# KiCad board C68.kicad_pcb
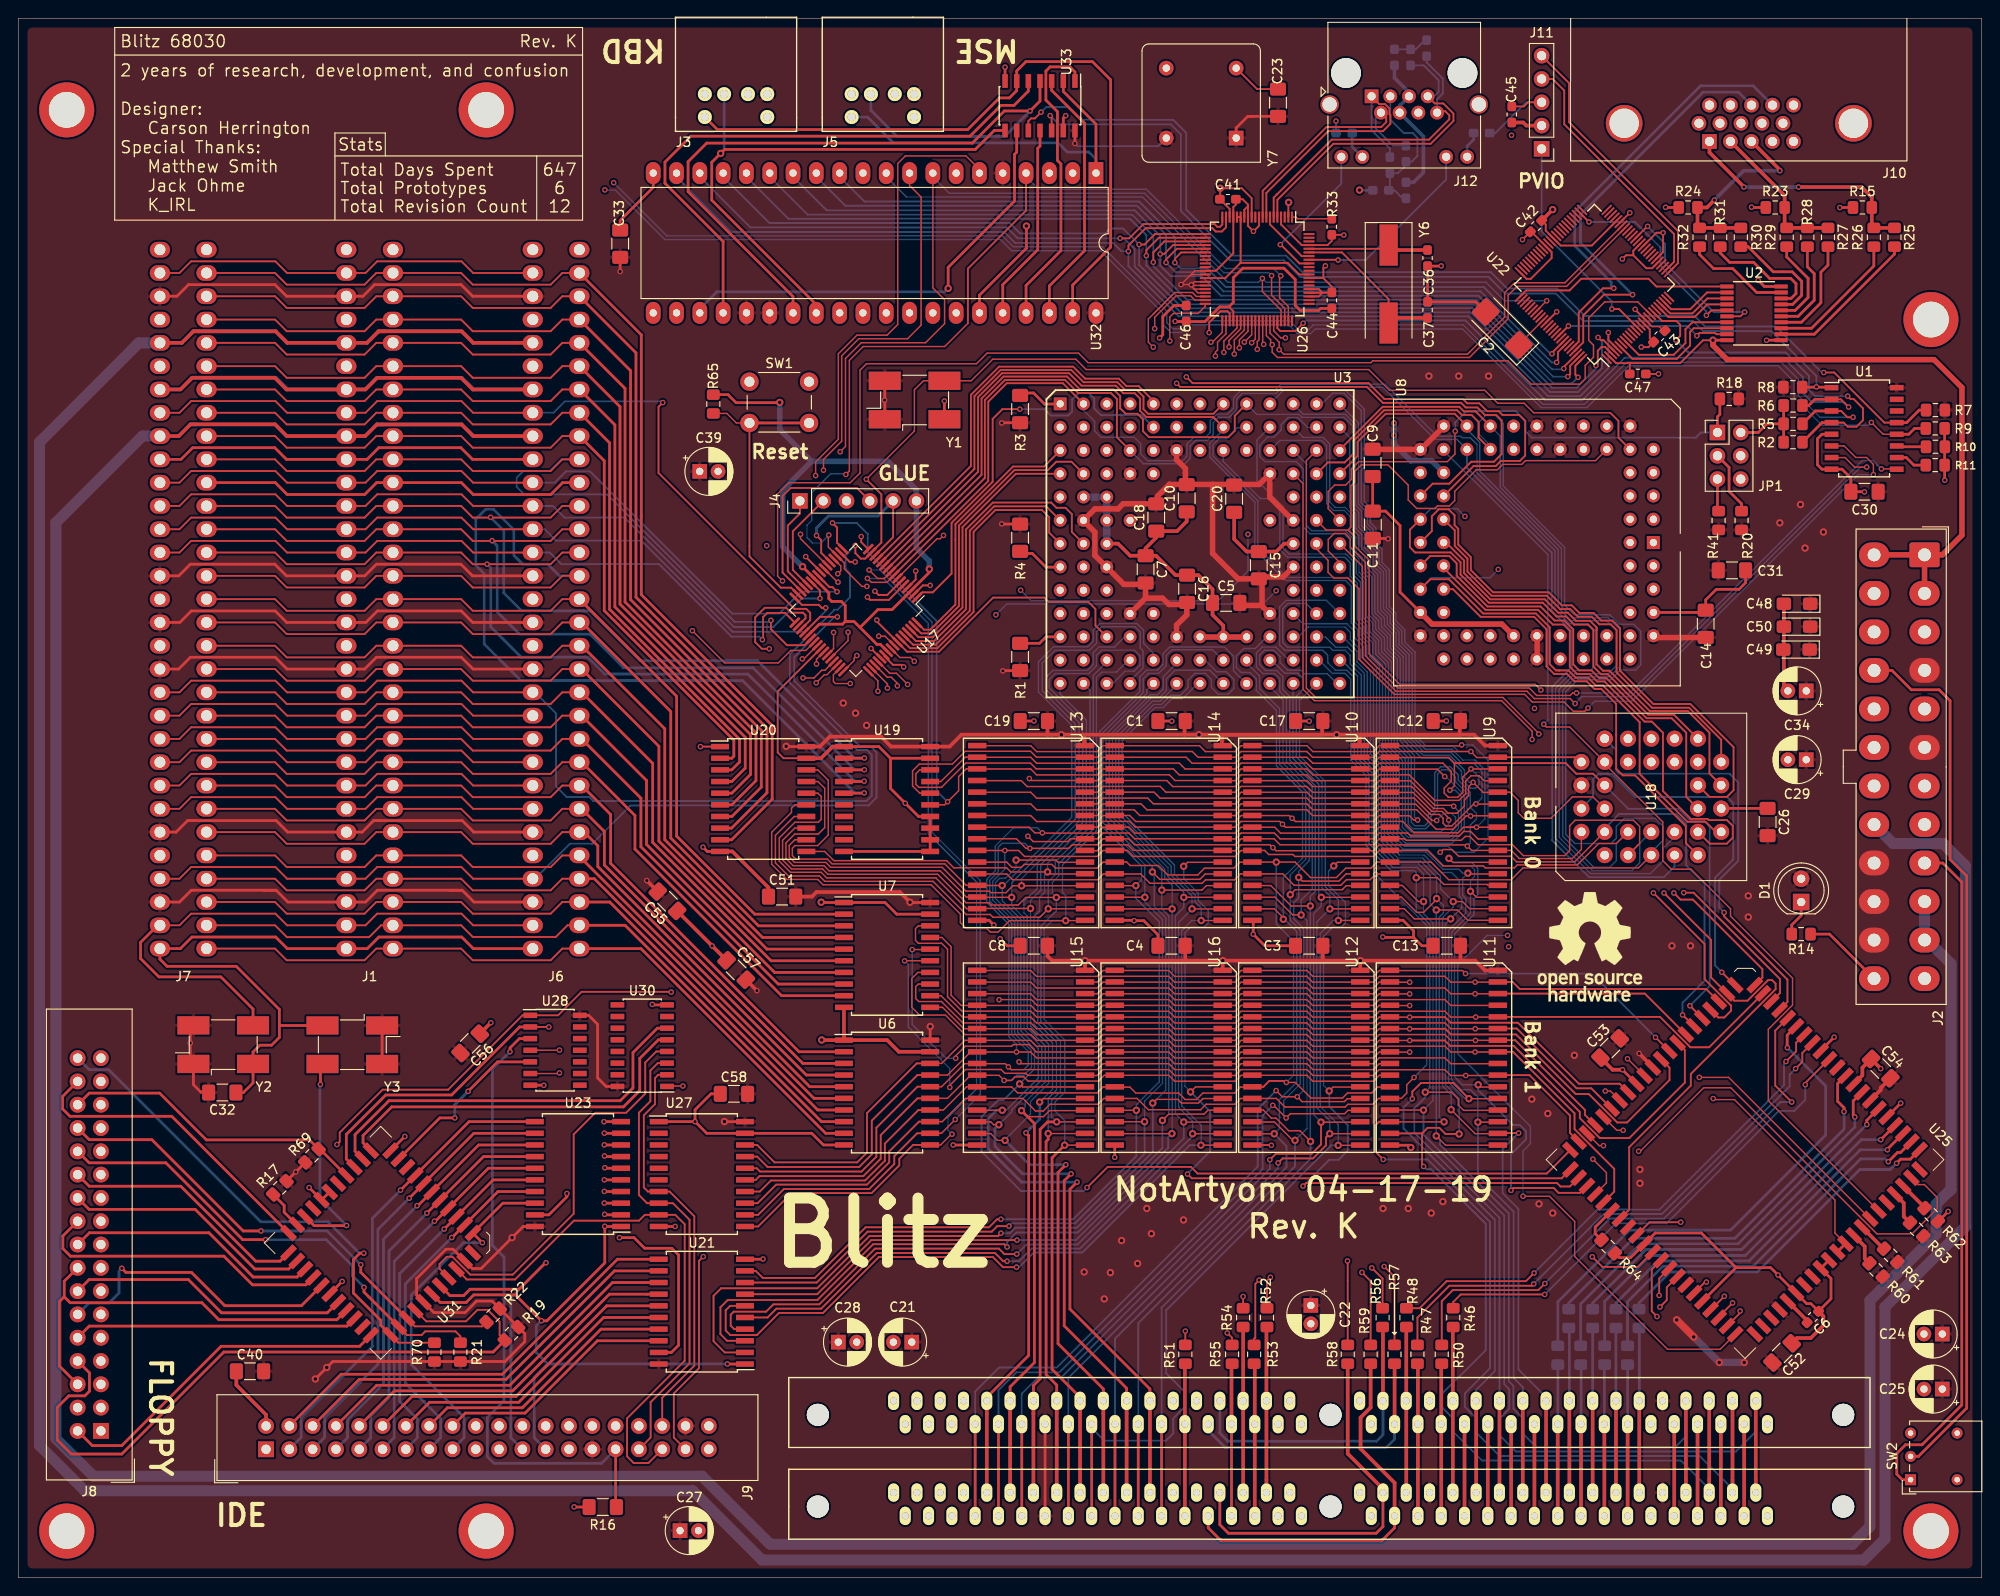
[diagram p0: board, top side]
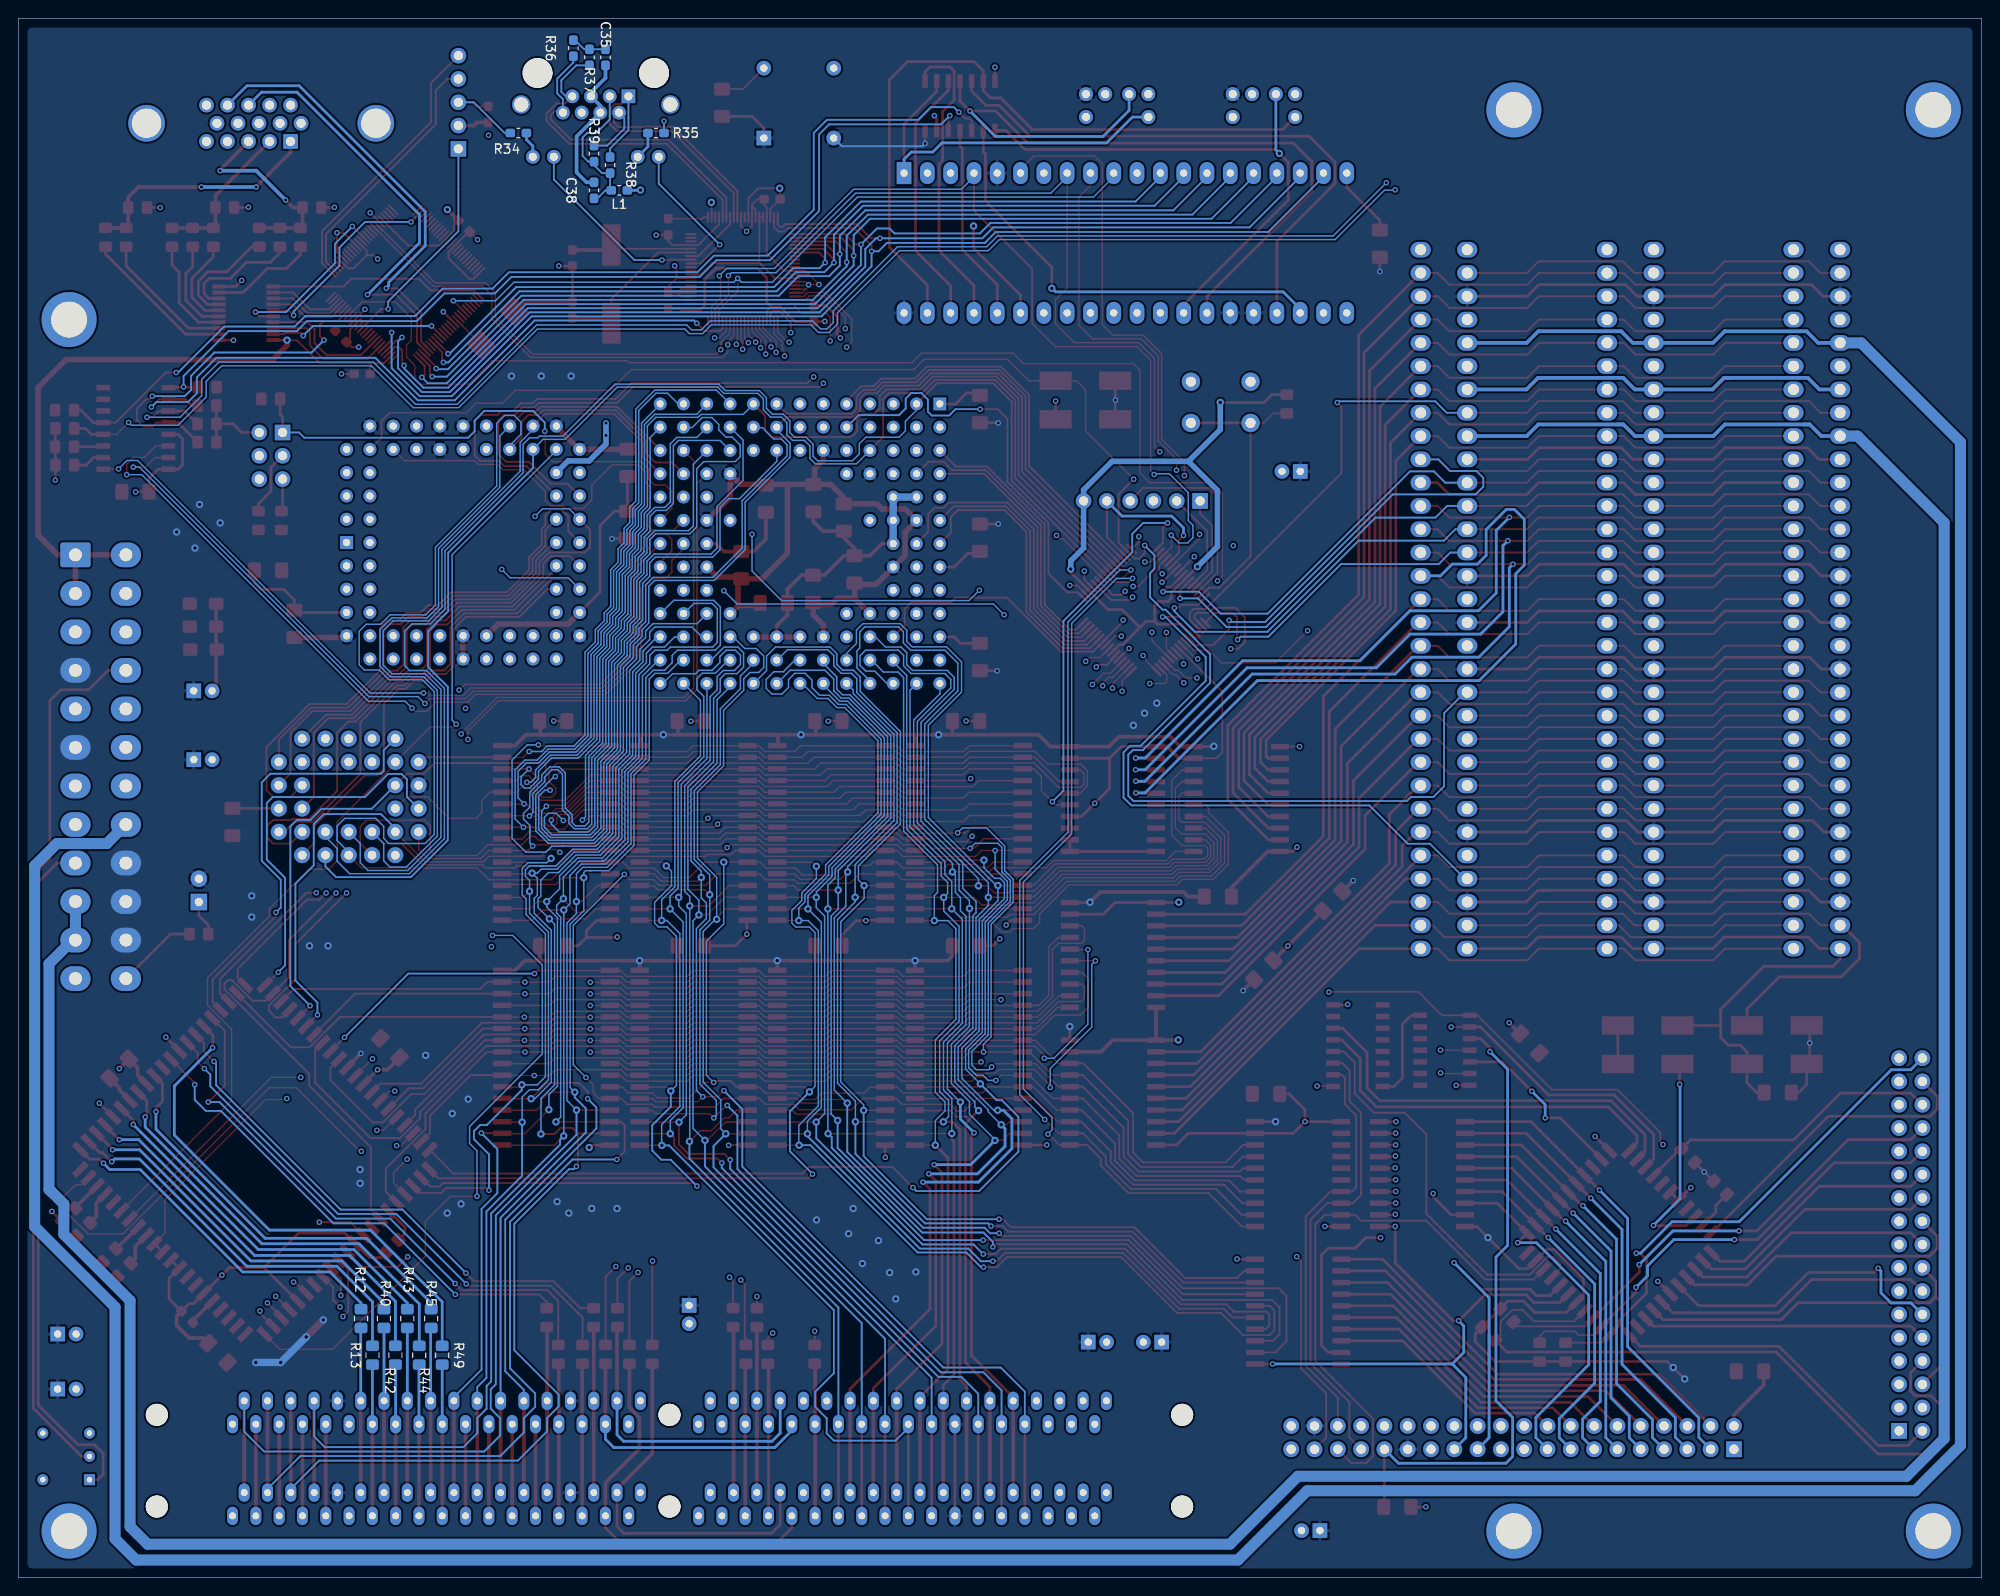
[diagram p1: board, bottom side, seen from below]

Outline 214 x 170 mm; copper layers: Top, In1.Cu, In2.Cu, Bottom. Coordinates in mm from the lower left corner of the outline.
Outline path: 0,170 214,170 214,0 0,0 0,170

## Placement (name value [footprint] x y rotation side)
C1  100nf  [C_1206_3216Metric_Pad1.42x1.75mm_HandSolder]  125.7 93.39 0 top
C2  10uf  [CP_EIA-6032-20_AVX-F_Pad2.25x2.35mm_HandSolder]  161.75 136.18 135 top
C3  100nf  [C_1206_3216Metric_Pad1.42x1.75mm_HandSolder]  140.7 68.89 0 top
C4  100nf  [C_1206_3216Metric_Pad1.42x1.75mm_HandSolder]  125.7 68.89 0 top
C5  100nf  [C_1206_3216Metric_Pad1.42x1.75mm_HandSolder]  131.65 106.27 0 top
C6  100nf  [C_0603_1608Metric_Pad1.05x0.95mm_HandSolder]  195.6 28.42 225 top
C7  100nf  [C_1206_3216Metric_Pad1.42x1.75mm_HandSolder]  122.87 109.93 270 top
C8  100nf  [C_1206_3216Metric_Pad1.42x1.75mm_HandSolder]  110.69 68.89 0 top
C9  100nf  [C_1206_3216Metric_Pad1.42x1.75mm_HandSolder]  147.62 121.54 90 top
C10  100nf  [C_1206_3216Metric_Pad1.42x1.75mm_HandSolder]  127.35 117.68 90 top
C11  100nf  [C_1206_3216Metric_Pad1.42x1.75mm_HandSolder]  147.64 114.79 270 top
C12  100nf  [C_1206_3216Metric_Pad1.42x1.75mm_HandSolder]  155.7 93.39 0 top
C13  100nf  [C_1206_3216Metric_Pad1.42x1.75mm_HandSolder]  155.7 68.89 0 top
C14  100nf  [C_1206_3216Metric_Pad1.42x1.75mm_HandSolder]  183.92 103.99 270 top
C15  100nf  [C_1206_3216Metric_Pad1.42x1.75mm_HandSolder]  135.21 110.38 270 top
C16  100nf  [C_1206_3216Metric_Pad1.42x1.75mm_HandSolder]  127.39 107.81 270 top
C17  100nf  [C_1206_3216Metric_Pad1.42x1.75mm_HandSolder]  140.7 93.39 0 top
C18  100nf  [C_1206_3216Metric_Pad1.42x1.75mm_HandSolder]  124.03 115.58 90 top
C19  100nf  [C_1206_3216Metric_Pad1.42x1.75mm_HandSolder]  110.69 93.39 0 top
C20  100nf  [C_1206_3216Metric_Pad1.42x1.75mm_HandSolder]  132.52 117.63 90 top
C21  47uf  [CP_Radial_D5.0mm_P2.00mm]  97.38 25.68 180 top
C22  47uf  [CP_Radial_D5.0mm_P2.00mm]  140.88 29.68 270 top
C23  100nf  [C_1206_3216Metric_Pad1.42x1.75mm_HandSolder]  137.3 160.8 270 top
C24  47uf  [CP_Radial_D5.0mm_P2.00mm]  209.71 26.56 180 top
C25  47uf  [CP_Radial_D5.0mm_P2.00mm]  209.71 20.56 180 top
C26  100nf  [C_1206_3216Metric_Pad1.42x1.75mm_HandSolder]  190.67 82.38 270 top
C27  47uf  [CP_Radial_D5.0mm_P2.00mm]  72.13 5.13 0 top
C28  47uf  [CP_Radial_D5.0mm_P2.00mm]  89.38 25.68 0 top
C29  47uf  [CP_Radial_D5.0mm_P2.00mm]  194.88 89.18 180 top
C30  100nf  [C_1206_3216Metric_Pad1.42x1.75mm_HandSolder]  201.23 118.39 0 top
C31  100nf  [C_1206_3216Metric_Pad1.42x1.75mm_HandSolder]  186.78 109.82 180 top
C32  100nf  [C_1206_3216Metric_Pad1.42x1.75mm_HandSolder]  22.23 52.89 180 top
C33  100nf  [C_1206_3216Metric_Pad1.42x1.75mm_HandSolder]  65.6 145.43 270 top
C34  47uf  [CP_Radial_D5.0mm_P2.00mm]  194.88 96.68 180 top
C35  10nf  [C_0603_1608Metric_Pad1.05x0.95mm_HandSolder]  150 165.75 270 bottom
C36  10pf  [C_0603_1608Metric_Pad1.05x0.95mm_HandSolder]  153.6 143.87 270 top
C37  10pf  [C_0603_1608Metric_Pad1.05x0.95mm_HandSolder]  153.6 138.21 90 top
C38  100nf  [C_0603_1608Metric_Pad1.05x0.95mm_HandSolder]  151.25 151.25 90 bottom
C39  10uf  [CP_Radial_D5.0mm_P2.00mm]  74.27 120.61 0 top
C40  100nf  [C_1206_3216Metric_Pad1.42x1.75mm_HandSolder]  25.25 22.5 0 top
C41  100nf  [C_0603_1608Metric_Pad1.05x0.95mm_HandSolder]  131.84 150.28 180 top
C42  100nf  [C_0603_1608Metric_Pad1.05x0.95mm_HandSolder]  165.43 147.35 45 top
C43  100nf  [C_0603_1608Metric_Pad1.05x0.95mm_HandSolder]  178.86 135.33 45 top
C44  100nf  [C_0603_1608Metric_Pad1.05x0.95mm_HandSolder]  143.18 139.25 270 top
C45  100nf  [C_0603_1608Metric_Pad1.05x0.95mm_HandSolder]  162.79 159.52 270 top
C46  100nf  [C_0603_1608Metric_Pad1.05x0.95mm_HandSolder]  127.3 137.82 270 top
C47  100nf  [C_0603_1608Metric_Pad1.05x0.95mm_HandSolder]  176.52 131.23 180 top
C48  1uf  [CP_EIA-3216-10_Kemet-I_Pad1.58x1.35mm_HandSolder]  193.88 106.18 180 top
C49  1uf  [CP_EIA-3216-10_Kemet-I_Pad1.58x1.35mm_HandSolder]  193.82 101.18 180 top
C50  1uf  [CP_EIA-3216-10_Kemet-I_Pad1.58x1.35mm_HandSolder]  193.88 103.68 180 top
C51  100nf  [C_1206_3216Metric_Pad1.42x1.75mm_HandSolder]  83.25 74.25 0 top
C52  100nf  [C_1206_3216Metric_Pad1.42x1.75mm_HandSolder]  192.25 24.5 225 top
C53  100nf  [C_1206_3216Metric_Pad1.42x1.75mm_HandSolder]  173.5 57.75 45 top
C54  100nf  [C_1206_3216Metric_Pad1.42x1.75mm_HandSolder]  203 55.5 315 top
C55  100nf  [C_1206_3216Metric_Pad1.42x1.75mm_HandSolder]  70.75 73.75 135 top
C56  100nf  [C_1206_3216Metric_Pad1.42x1.75mm_HandSolder]  49.25 58.25 225 top
C57  100nf  [C_1206_3216Metric_Pad1.42x1.75mm_HandSolder]  78.25 66.25 315 top
C58  100nf  [C_1206_3216Metric_Pad1.42x1.75mm_HandSolder]  78 52.75 0 top
D1  LED  [LED_D5.0mm]  194.32 73.66 90 top
H1  PTH_mount  [atx_mounting_hole]  50.99 160.02 0 top
H2  PTH_mount  [atx_mounting_hole]  50.99 5.08 0 top
H3  PTH_mount  [atx_mounting_hole]  208.47 5.08 0 top
H4  PTH_mount  [atx_mounting_hole]  208.47 137.16 0 top
H5  PTH_mount  [atx_mounting_hole]  5.27 5.08 0 top
H6  PTH_mount  [atx_mounting_hole]  5.27 160.02 0 top
J1  ISAx8  [ISA_x8_VERT]  38.29 109.22 0 top
J2  ATX24  [Molex_Mini-Fit_Jr_5566-24A_2x12_P4.20mm_Vertical]  207.77 111.51 270 top
J3  MSE  [PS2]  78.23 161.74 0 top
J4  PRG0  [PinHeader_1x06_P2.54mm_Vertical]  85.19 117.39 90 top
J5  KBD  [PS2]  94.23 161.74 0 top
J6  ISAx8  [ISA_x8_VERT]  58.61 109.22 0 top
J7  ISAx8  [ISA_x8_VERT]  17.97 109.22 0 top
J8  FLOPPY  [IDC-Header_2x17_P2.54mm_Vertical]  9 16 180 top
J9  IDE  [IDC-Header_2x20_P2.54mm_Vertical]  27 14 90 top
J10  VGA  [Dsub-VGA]  188.75 159.13 0 top
J11  ICSP  [PinHeader_1x05_P2.54mm_Vertical]  166.04 155.77 180 top
J12  RJ45_LED  [RJ45_Amphenol_RJHSE538X]  147.5 161.5 0 top
JP1  Conn_02x03_Odd_Even  [PinHeader_2x03_P2.54mm_Vertical]  185.2 124.85 0 top
L1  L  [L_0603_1608Metric_Pad1.05x0.95mm_HandSolder]  148.5 151.25 180 bottom
R1  10k  [R_1206_3216Metric_Pad1.42x1.75mm_HandSolder]  109.19 100.38 90 top
R2  10k  [R_0805_2012Metric_Pad1.15x1.40mm_HandSolder]  193.44 123.79 0 top
R3  10k  [R_1206_3216Metric_Pad1.42x1.75mm_HandSolder]  109.19 127.4 90 top
R4  10k  [R_1206_3216Metric_Pad1.42x1.75mm_HandSolder]  109.19 113.38 270 top
R5  10k  [R_0805_2012Metric_Pad1.15x1.40mm_HandSolder]  193.44 125.79 0 top
R6  10k  [R_0805_2012Metric_Pad1.15x1.40mm_HandSolder]  193.44 127.79 0 top
R7  10k  [R_0805_2012Metric_Pad1.15x1.40mm_HandSolder]  208.96 127.29 180 top
R8  10k  [R_0805_2012Metric_Pad1.15x1.40mm_HandSolder]  193.42 129.79 0 top
R9  10k  [R_0805_2012Metric_Pad1.15x1.40mm_HandSolder]  208.94 125.29 180 top
R10  10k  [R_0805_2012Metric_Pad1.15x1.40mm_HandSolder]  208.96 123.29 180 top
R11  10k  [R_0805_2012Metric_Pad1.15x1.40mm_HandSolder]  208.94 121.29 180 top
R12  22  [R_0805_2012Metric_Pad1.15x1.40mm_HandSolder]  176.65 28.25 90 bottom
R13  22  [R_0805_2012Metric_Pad1.15x1.40mm_HandSolder]  175.4 24.25 90 bottom
R14  10k  [R_0805_2012Metric_Pad1.15x1.40mm_HandSolder]  194.32 70.16 180 top
R15  75  [R_0805_2012Metric_Pad1.15x1.40mm_HandSolder]  201 149.38 180 top
R16  10k  [R_1206_3216Metric_Pad1.42x1.75mm_HandSolder]  63.7 7.7 0 top
R17  150  [R_0805_2012Metric_Pad1.15x1.40mm_HandSolder]  28.5 42.5 45 top
R18  10k  [R_0805_2012Metric_Pad1.15x1.40mm_HandSolder]  186.49 128.51 180 top
R19  150  [R_0805_2012Metric_Pad1.15x1.40mm_HandSolder]  53.75 26.6 45 top
R20  10k  [R_0805_2012Metric_Pad1.15x1.40mm_HandSolder]  187.83 115.25 90 top
R21  150  [R_0805_2012Metric_Pad1.15x1.40mm_HandSolder]  48.18 24.59 270 top
R22  150  [R_0805_2012Metric_Pad1.15x1.40mm_HandSolder]  51.75 28.6 45 top
R23  75  [R_0805_2012Metric_Pad1.15x1.40mm_HandSolder]  191.5 149.38 180 top
R24  75  [R_0805_2012Metric_Pad1.15x1.40mm_HandSolder]  182 149.38 180 top
R25  455  [R_0805_2012Metric_Pad1.15x1.40mm_HandSolder]  204.5 146.13 270 top
R26  986  [R_0805_2012Metric_Pad1.15x1.40mm_HandSolder]  202.25 146.13 270 top
R27  544  [R_0805_2012Metric_Pad1.15x1.40mm_HandSolder]  197.25 146.13 270 top
R28  1k2  [R_0805_2012Metric_Pad1.15x1.40mm_HandSolder]  195 146.13 270 top
R29  2k4  [R_0805_2012Metric_Pad1.15x1.40mm_HandSolder]  192.75 146.13 270 top
R30  544  [R_0805_2012Metric_Pad1.15x1.40mm_HandSolder]  187.75 146.13 270 top
R31  1k2  [R_0805_2012Metric_Pad1.15x1.40mm_HandSolder]  185.5 146.13 270 top
R32  2k4  [R_0805_2012Metric_Pad1.15x1.40mm_HandSolder]  183.25 146.13 270 top
R33  12.3k  [R_0603_1608Metric_Pad1.05x0.95mm_HandSolder]  143.16 147.28 90 top
R34  330  [R_0603_1608Metric_Pad1.05x0.95mm_HandSolder]  159.5 157.5 180 bottom
R35  330  [R_0603_1608Metric_Pad1.05x0.95mm_HandSolder]  144.5 157.5 0 bottom
R36  49k9  [R_0603_1608Metric_Pad1.05x0.95mm_HandSolder]  153.5 166.75 90 bottom
R37  49k9  [R_0603_1608Metric_Pad1.05x0.95mm_HandSolder]  151.75 165.75 270 bottom
R38  49k9  [R_0603_1608Metric_Pad1.05x0.95mm_HandSolder]  149.5 154 90 bottom
R39  49k9  [R_0603_1608Metric_Pad1.05x0.95mm_HandSolder]  151.25 155.25 270 bottom
R40  22  [R_0805_2012Metric_Pad1.15x1.40mm_HandSolder]  174.15 28.25 90 bottom
R41  10k  [R_0805_2012Metric_Pad1.15x1.40mm_HandSolder]  185.33 115.25 90 top
R42  22  [R_0805_2012Metric_Pad1.15x1.40mm_HandSolder]  172.9 24.25 90 bottom
R43  22  [R_0805_2012Metric_Pad1.15x1.40mm_HandSolder]  171.6 28.25 90 bottom
R44  22  [R_0805_2012Metric_Pad1.15x1.40mm_HandSolder]  170.3 24.25 90 bottom
R45  22  [R_0805_2012Metric_Pad1.15x1.40mm_HandSolder]  169 28.25 90 bottom
R46  22  [R_0805_2012Metric_Pad1.15x1.40mm_HandSolder]  156.4 28.35 90 top
R47  22  [R_0805_2012Metric_Pad1.15x1.40mm_HandSolder]  152.5 24.35 90 top
R48  22  [R_0805_2012Metric_Pad1.15x1.40mm_HandSolder]  151.3 28.35 90 top
R49  22  [R_0805_2012Metric_Pad1.15x1.40mm_HandSolder]  167.8 24.25 90 bottom
R50  22  [R_0805_2012Metric_Pad1.15x1.40mm_HandSolder]  155.15 24.35 90 top
R51  22  [R_0805_2012Metric_Pad1.15x1.40mm_HandSolder]  127.2 24.35 90 top
R52  22  [R_0805_2012Metric_Pad1.15x1.40mm_HandSolder]  136.1 28.35 90 top
R53  22  [R_0805_2012Metric_Pad1.15x1.40mm_HandSolder]  134.7 24.35 90 top
R54  22  [R_0805_2012Metric_Pad1.15x1.40mm_HandSolder]  133.5 28.35 90 top
R55  22  [R_0805_2012Metric_Pad1.15x1.40mm_HandSolder]  132.3 24.35 90 top
R56  22  [R_0805_2012Metric_Pad1.15x1.40mm_HandSolder]  148.7 28.35 90 top
R57  22  [R_0805_2012Metric_Pad1.15x1.40mm_HandSolder]  150 24.35 90 top
R58  22  [R_0805_2012Metric_Pad1.15x1.40mm_HandSolder]  144.9 24.35 90 top
R59  22  [R_0805_2012Metric_Pad1.15x1.40mm_HandSolder]  147.4 24.35 90 top
R60  2k2  [R_0805_2012Metric_Pad1.15x1.40mm_HandSolder]  202.49 33.55 135 top
R61  2k2  [R_0805_2012Metric_Pad1.15x1.40mm_HandSolder]  204.08 35.14 135 top
R62  2k2  [R_0805_2012Metric_Pad1.15x1.40mm_HandSolder]  208.5 39.56 135 top
R63  2k2  [R_0805_2012Metric_Pad1.15x1.40mm_HandSolder]  206.91 37.97 135 top
R64  2k2  [R_0805_2012Metric_Pad1.15x1.40mm_HandSolder]  173.29 36.09 135 top
R65  10k  [R_0805_2012Metric_Pad1.15x1.40mm_HandSolder]  75.75 127.95 270 top
R69  150  [R_0805_2012Metric_Pad1.15x1.40mm_HandSolder]  32 46 225 top
R70  150  [R_0805_2012Metric_Pad1.15x1.40mm_HandSolder]  45.35 24.59 270 top
REF**  -  [OSHW-Logo_11.4x12mm_SilkScreen]  171.29 68.78 0 top
SW1  RESET  [SW_PUSH_6mm]  79.69 130.39 0 top
SW2  SW_SPDT  [SW_Lever_1P2T_NKK_GW12LxH]  206.25 10.68 90 top
U1  74LS148  [SOIC-16W_5.3x10.2mm_P1.27mm]  201.19 125.29 0 top
U2  74LVC245APW  [TSSOP-20_4.4x6.5mm_P0.65mm]  189.19 137.84 180 top
U3  M68030  [PGA120]  129.06 112.22 180 top
U5  -  [SIMM_72]  142.9 17.75 0 top
U6  74LS245  [SOIC-20W_7.5x12.8mm_P1.27mm]  94.69 52.89 0 top
U7  74LS245  [SOIC-20W_7.5x12.8mm_P1.27mm]  94.69 67.89 0 top
U8  M68882_PLCC  [PLCC-68_THT-Socket]  178.22 112.85 270 top
U9  AS6C4008  [SOIC-32]  155.39 81.19 270 top
U10  AS6C4008  [SOIC-32]  140.39 81.19 270 top
U11  AS6C4008  [SOIC-32]  155.39 56.69 270 top
U12  AS6C4008  [SOIC-32]  140.39 56.69 270 top
U13  AS6C4008  [SOIC-32]  110.39 81.19 270 top
U14  AS6C4008  [SOIC-32]  125.39 81.19 270 top
U15  AS6C4008  [SOIC-32]  110.39 56.69 270 top
U16  AS6C4008  [SOIC-32]  125.39 56.69 270 top
U17  XC9572XL-VQ64  [TQFP-64_10x10mm_P0.5mm]  91.28 105.48 225 top
U18  SST39SF040  [PLCC-32_TH]  172.91 86.39 90 top
U19  74LS245  [SOIC-20W_7.5x12.8mm_P1.27mm]  94.69 84.89 0 top
U20  74LS245  [SOIC-20W_7.5x12.8mm_P1.27mm]  81.19 84.89 0 top
U21  74LS245  [SOIC-20W_7.5x12.8mm_P1.27mm]  74.5 29 180 top
U22  PIC24FJ256DA210-IPT  [TQFP-100_12x12mm_P0.4mm]  171.79 140.99 135 top
U23  74LS245  [SOIC-20W_7.5x12.8mm_P1.27mm]  61 44 180 top
U24  -  [SIMM_72]  142.9 7.75 0 top
U25  DP8440  [PLCC-84]  188.21 45.57 315 top
U26  W5100  [LQFP-80_10x10mm_P0.4mm]  135.03 142.68 270 top
U27  74LS245  [SOIC-20W_7.5x12.8mm_P1.27mm]  74.5 44 0 top
U28  7404  [SOIC-14_3.9x8.7mm_P1.27mm]  58.5 57.5 0 top
U30  74hc139  [SOIC-16_3.9x9.9mm_P1.27mm]  68 58 180 top
U31  WD37C65  [PLCC-44]  39.5 36.5 225 top
U32  8042  [DIP-40_W15.24mm_LongPads]  117.46 153.13 270 top
U33  74LS06  [SOIC-14_3.9x8.7mm_P1.27mm]  111.36 160.47 270 top
Y1  20MHz  [Oscillator_SMD_EuroQuartz_XO91-4Pin_7.0x5.0mm_HandSoldering]  97.69 128.39 0 top
Y2  14.316MHz  [Oscillator_SMD_EuroQuartz_XO91-4Pin_7.0x5.0mm_HandSoldering]  22.33 58.11 0 top
Y3  16MHz  [Oscillator_SMD_EuroQuartz_XO91-4Pin_7.0x5.0mm_HandSoldering]  36.4 58.1 180 top
Y6  25MHz  [Crystal_SMD_HC49-SD]  149.36 141.04 270 top
Y7  8MHz  [Oscillator_DIP-8]  132.74 156.95 90 top

## Footprints (pads in the part's own frame, mm; a bottom-side part is the same pattern mirrored in y, then rotated)
atx_mounting_hole
  round 6 hole 3.9: 1(0,0)
C_0603_1608Metric_Pad1.05x0.95mm_HandSolder
  rrect 1.05x0.95 smd: 1(-0.875,0) 2(0.875,0)
C_1206_3216Metric_Pad1.42x1.75mm_HandSolder
  rrect 1.425x1.75 smd: 1(-1.488,0) 2(1.488,0)
CP_EIA-3216-10_Kemet-I_Pad1.58x1.35mm_HandSolder
  rrect 1.575x1.35 smd: 1(-1.438,0) 2(1.438,0)
CP_EIA-6032-20_AVX-F_Pad2.25x2.35mm_HandSolder
  rrect 2.25x2.35 smd: 1(-2.55,0) 2(2.55,0)
CP_Radial_D5.0mm_P2.00mm
  rect 1.6x1.6 hole 0.8: 1(0,0)
  round 1.6 hole 0.8: 2(2,0)
Crystal_SMD_HC49-SD
  rect 4.5x2 smd: 1(-4.25,0) 2(4.25,0)
DIP-40_W15.24mm_LongPads
  rect 2.4x1.6 hole 0.8: 1(0,0)
  oval 2.4x1.6 hole 0.8: 2(0,-2.54) 3(0,-5.08) 4(0,-7.62) 5(0,-10.16) 6(0,-12.7) 7(0,-15.24) 8(0,-17.78) 9(0,-20.32) 10(0,-22.86) 11(0,-25.4) 12(0,-27.94) 13(0,-30.48) 14(0,-33.02) 15(0,-35.56) 16(0,-38.1) 17(0,-40.64) 18(0,-43.18) 19(0,-45.72) 20(0,-48.26) 21(15.24,-48.26) 22(15.24,-45.72) 23(15.24,-43.18) 24(15.24,-40.64) 25(15.24,-38.1) 26(15.24,-35.56) 27(15.24,-33.02) 28(15.24,-30.48) 29(15.24,-27.94) 30(15.24,-25.4) 31(15.24,-22.86) 32(15.24,-20.32) 33(15.24,-17.78) 34(15.24,-15.24) 35(15.24,-12.7) 36(15.24,-10.16) 37(15.24,-7.62) 38(15.24,-5.08) 39(15.24,-2.54) 40(15.24,0)
Dsub-VGA
  round 4 hole 3.2: 0(-13.715,-0.57) 0(11.275,-0.57)
  rect 1.6x1.6 hole 1: 1(-4.42,-2.55)
  round 1.6 hole 1: 2(-2.13,-2.55) 3(0.16,-2.55) 4(2.45,-2.55) 5(4.74,-2.55) 6(-5.565,-0.57) 7(-3.275,-0.57) 8(-0.985,-0.57) 9(1.305,-0.57) 10(3.595,-0.57) 11(-4.42,1.41) 12(-2.13,1.41) 13(0.16,1.41) 14(2.45,1.41) 15(4.74,1.41)
IDC-Header_2x17_P2.54mm_Vertical
  rect 1.727x1.727 hole 1.016: 1(0,0)
  oval 1.727x1.727 hole 1.016: 2(2.54,0) 3(0,-2.54) 4(2.54,-2.54) 5(0,-5.08) 6(2.54,-5.08) 7(0,-7.62) 8(2.54,-7.62) 9(0,-10.16) 10(2.54,-10.16) 11(0,-12.7) 12(2.54,-12.7) 13(0,-15.24) 14(2.54,-15.24) 15(0,-17.78) 16(2.54,-17.78) 17(0,-20.32) 18(2.54,-20.32) 19(0,-22.86) 20(2.54,-22.86) 21(0,-25.4) 22(2.54,-25.4) 23(0,-27.94) 24(2.54,-27.94) 25(0,-30.48) 26(2.54,-30.48) 27(0,-33.02) 28(2.54,-33.02) 29(0,-35.56) 30(2.54,-35.56) 31(0,-38.1) 32(2.54,-38.1) 33(0,-40.64) 34(2.54,-40.64)
IDC-Header_2x20_P2.54mm_Vertical
  rect 1.727x1.727 hole 1.016: 1(0,0)
  oval 1.727x1.727 hole 1.016: 2(2.54,0) 3(0,-2.54) 4(2.54,-2.54) 5(0,-5.08) 6(2.54,-5.08) 7(0,-7.62) 8(2.54,-7.62) 9(0,-10.16) 10(2.54,-10.16) 11(0,-12.7) 12(2.54,-12.7) 13(0,-15.24) 14(2.54,-15.24) 15(0,-17.78) 16(2.54,-17.78) 17(0,-20.32) 18(2.54,-20.32) 19(0,-22.86) 20(2.54,-22.86) 21(0,-25.4) 22(2.54,-25.4) 23(0,-27.94) 24(2.54,-27.94) 25(0,-30.48) 26(2.54,-30.48) 27(0,-33.02) 28(2.54,-33.02) 29(0,-35.56) 30(2.54,-35.56) 31(0,-38.1) 32(2.54,-38.1) 33(0,-40.64) 34(2.54,-40.64) 35(0,-43.18) 36(2.54,-43.18) 37(0,-45.72) 38(2.54,-45.72) 39(0,-48.26) 40(2.54,-48.26)
ISA_x8_VERT
  oval 2.2x1.7 hole 1.2: A1(2.54,35.56) A2(2.54,33.02) A3(2.54,30.48) A4(2.54,27.94) A5(2.54,25.4) A6(2.54,22.86) A7(2.54,20.32) A8(2.54,17.78) A9(2.54,15.24) A10(2.54,12.7) A11(2.54,10.16) A12(2.54,7.62) A13(2.54,5.08) A14(2.54,2.54) A15(2.54,0) A16(2.54,-2.54) A17(2.54,-5.08) A18(2.54,-7.62) A19(2.54,-10.16) A20(2.54,-12.7) A21(2.54,-15.24) A22(2.54,-17.78) A23(2.54,-20.32) A24(2.54,-22.86) A25(2.54,-25.4) A26(2.54,-27.94) A27(2.54,-30.48) A28(2.54,-33.02) A29(2.54,-35.56) A30(2.54,-38.1) A31(2.54,-40.64) B1(-2.54,35.56) B2(-2.54,33.02) B3(-2.54,30.48) B4(-2.54,27.94) B5(-2.54,25.4) B6(-2.54,22.86) B7(-2.54,20.32) B8(-2.54,17.78) B9(-2.54,15.24) B10(-2.54,12.7) B11(-2.54,10.16) B12(-2.54,7.62) B13(-2.54,5.08) B14(-2.54,2.54) B15(-2.54,0) B16(-2.54,-2.54) B17(-2.54,-5.08) B18(-2.54,-7.62) B19(-2.54,-10.16) B20(-2.54,-12.7) B21(-2.54,-15.24) B22(-2.54,-17.78) B23(-2.54,-20.32) B24(-2.54,-22.86) B25(-2.54,-25.4) B26(-2.54,-27.94) B27(-2.54,-30.48) B28(-2.54,-33.02) B29(-2.54,-35.56) B30(-2.54,-38.1) B31(-2.54,-40.64)
L_0603_1608Metric_Pad1.05x0.95mm_HandSolder
  rrect 1.05x0.95 smd: 1(-0.875,0) 2(0.875,0)
LED_D5.0mm
  rect 1.8x1.8 hole 0.9: 1(0,0)
  round 1.8 hole 0.9: 2(2.54,0)
LQFP-80_10x10mm_P0.4mm
  rect 1.2x0.23 smd: 1(-5.65,3.8) 2(-5.65,3.4) 3(-5.65,3) 4(-5.65,2.6) 5(-5.65,2.2) 6(-5.65,1.8) 7(-5.65,1.4) 8(-5.65,1) 9(-5.65,0.6) 10(-5.65,0.2) 11(-5.65,-0.2) 12(-5.65,-0.6) 13(-5.65,-1) 14(-5.65,-1.4) 15(-5.65,-1.8) 16(-5.65,-2.2) 17(-5.65,-2.6) 18(-5.65,-3) 19(-5.65,-3.4) 20(-5.65,-3.8) 41(5.65,-3.8) 42(5.65,-3.4) 43(5.65,-3) 44(5.65,-2.6) 45(5.65,-2.2) 46(5.65,-1.8) 47(5.65,-1.4) 48(5.65,-1) 49(5.65,-0.6) 50(5.65,-0.2) 51(5.65,0.2) 52(5.65,0.6) 53(5.65,1) 54(5.65,1.4) 55(5.65,1.8) 56(5.65,2.2) 57(5.65,2.6) 58(5.65,3) 59(5.65,3.4) 60(5.65,3.8)
  rect 0.23x1.2 smd: 21(-3.8,-5.65) 22(-3.4,-5.65) 23(-3,-5.65) 24(-2.6,-5.65) 25(-2.2,-5.65) 26(-1.8,-5.65) 27(-1.4,-5.65) 28(-1,-5.65) 29(-0.6,-5.65) 30(-0.2,-5.65) 31(0.2,-5.65) 32(0.6,-5.65) 33(1,-5.65) 34(1.4,-5.65) 35(1.8,-5.65) 36(2.2,-5.65) 37(2.6,-5.65) 38(3,-5.65) 39(3.4,-5.65) 40(3.8,-5.65) 61(3.8,5.65) 62(3.4,5.65) 63(3,5.65) 64(2.6,5.65) 65(2.2,5.65) 66(1.8,5.65) 67(1.4,5.65) 68(1,5.65) 69(0.6,5.65) 70(0.2,5.65) 71(-0.2,5.65) 72(-0.6,5.65) 73(-1,5.65) 74(-1.4,5.65) 75(-1.8,5.65) 76(-2.2,5.65) 77(-2.6,5.65) 78(-3,5.65) 79(-3.4,5.65) 80(-3.8,5.65)
Molex_Mini-Fit_Jr_5566-24A_2x12_P4.20mm_Vertical
  rrect 2.7x3.3 hole 1.4: 1(0,0)
  oval 2.7x3.3 hole 1.4: 2(4.2,0) 3(8.4,0) 4(12.6,0) 5(16.8,0) 6(21,0) 7(25.2,0) 8(29.4,0) 9(33.6,0) 10(37.8,0) 11(42,0) 12(46.2,0) 13(0,-5.5) 14(4.2,-5.5) 15(8.4,-5.5) 16(12.6,-5.5) 17(16.8,-5.5) 18(21,-5.5) 19(25.2,-5.5) 20(29.4,-5.5) 21(33.6,-5.5) 22(37.8,-5.5) 23(42,-5.5) 24(46.2,-5.5)
Oscillator_DIP-8
  rect 1.6x1.6 hole 0.8: 1(0,0)
  round 1.6 hole 0.8: 4(7.62,0) 5(7.62,7.62) 8(0,7.62)
Oscillator_SMD_EuroQuartz_XO91-4Pin_7.0x5.0mm_HandSoldering
  rect 3.5x2 smd: 1(-3.25,-2.1) 2(3.25,-2.1) 3(3.25,2.1) 4(-3.25,2.1)
PGA120
  rect 1.397x1.397 hole 0.787: A1(15.5,-15.75)
  round 1.397 hole 0.787: A2(12.96,-15.75) A3(10.42,-15.75) A4(7.88,-15.75) A5(5.34,-15.75) A6(2.8,-15.75) A7(0.26,-15.75) A8(-2.28,-15.75) A9(-4.82,-15.75) A10(-7.36,-15.75) A11(-9.9,-15.75) A12(-12.44,-15.75) A13(-14.98,-15.75) B1(15.5,-13.21) B2(12.96,-13.21) B3(10.42,-13.21) B4(7.88,-13.21) B5(5.34,-13.21) B6(2.8,-13.21) B7(0.26,-13.21) B8(-2.28,-13.21) B9(-4.82,-13.21) B10(-7.36,-13.21) B11(-9.9,-13.21) B12(-12.44,-13.21) B13(-14.98,-13.21) C1(15.5,-10.67) C2(12.96,-10.67) C3(10.42,-10.67) C4(7.88,-10.67) C5(5.34,-10.67) C6(2.8,-10.67) C7(0.26,-10.67) C8(-2.28,-10.67) C9(-4.82,-10.67) C10(-7.36,-10.67) C11(-9.9,-10.67) C12(-12.44,-10.67) C13(-14.98,-10.67) D1(15.5,-8.13) D2(12.96,-8.13) D3(10.42,-8.13) D4(7.88,-8.13) D5(5.34,-8.13) D10(-7.36,-8.13) D11(-9.9,-8.13) D12(-12.44,-8.13) D13(-14.98,-8.13) E1(15.5,-5.59) E2(12.96,-5.59) E3(10.42,-5.59) E11(-9.9,-5.59) E12(-12.44,-5.59) E13(-14.98,-5.59) F1(15.5,-3.05) F2(12.96,-3.05) F3(10.42,-3.05) F4(7.88,-3.05) F10(-7.36,-3.05) F11(-9.9,-3.05) F12(-12.44,-3.05) F13(-14.98,-3.05) G1(15.5,-0.51) G2(12.96,-0.51) G3(10.42,-0.51) G11(-9.9,-0.51) G12(-12.44,-0.51) G13(-14.98,-0.51) H1(15.5,2.03) H2(12.96,2.03) H3(10.42,2.03) H11(-9.9,2.03) H12(-12.44,2.03) H13(-14.98,2.03) J1(15.5,4.57) J2(12.96,4.57) J3(10.42,4.57) J11(-9.9,4.57) J12(-12.44,4.57) J13(-14.98,4.57) K1(15.5,7.11) K2(12.96,7.11) K3(10.42,7.11) K4(7.88,7.11) K5(5.34,7.11) K10(-7.36,7.11) K11(-9.9,7.11) K12(-12.44,7.11) K13(-14.98,7.11) L1(15.5,9.65) L2(12.96,9.65) L3(10.42,9.65) L4(7.88,9.65) L5(5.34,9.65) L6(2.8,9.65) L7(0.26,9.65) L8(-2.28,9.65) L9(-4.82,9.65) L10(-7.36,9.65) L11(-9.9,9.65) L12(-12.44,9.65) L13(-14.98,9.65) M1(15.5,12.19) M2(12.96,12.19) M3(10.42,12.19) M4(7.88,12.19) M5(5.34,12.19) M6(2.8,12.19) M7(0.26,12.19) M8(-2.28,12.19) M9(-4.82,12.19) M10(-7.36,12.19) M11(-9.9,12.19) M12(-12.44,12.19) M13(-14.98,12.19) N1(15.5,14.73) N2(12.96,14.73) N3(10.42,14.73) N4(7.88,14.73) N5(5.34,14.73) N6(2.8,14.73) N7(0.26,14.73) N8(-2.28,14.73) N9(-4.82,14.73) N10(-7.36,14.73) N11(-9.9,14.73) N12(-12.44,14.73) N13(-14.98,14.73)
PinHeader_1x05_P2.54mm_Vertical
  rect 1.7x1.7 hole 1: 1(0,0)
  oval 1.7x1.7 hole 1: 2(0,-2.54) 3(0,-5.08) 4(0,-7.62) 5(0,-10.16)
PinHeader_1x06_P2.54mm_Vertical
  rect 1.7x1.7 hole 1: 1(0,0)
  oval 1.7x1.7 hole 1: 2(0,-2.54) 3(0,-5.08) 4(0,-7.62) 5(0,-10.16) 6(0,-12.7)
PinHeader_2x03_P2.54mm_Vertical
  rect 1.7x1.7 hole 1: 1(0,0)
  oval 1.7x1.7 hole 1: 2(2.54,0) 3(0,-2.54) 4(2.54,-2.54) 5(0,-5.08) 6(2.54,-5.08)
PLCC-32_TH
  round 1.75 hole 0.95: 1(0,0) 2(-2.54,2.54) 3(-2.54,0) 4(-5.08,2.54) 5(-7.62,0) 6(-5.08,0) 7(-7.62,-2.54) 8(-5.08,-2.54) 9(-7.62,-5.08) 10(-5.08,-5.08) 11(-7.62,-7.62) 12(-5.08,-7.62) 13(-7.62,-10.16) 14(-5.08,-12.7) 15(-5.08,-10.16) 16(-2.54,-12.7) 17(-2.54,-10.16) 18(0,-12.7) 19(0,-10.16) 20(2.54,-12.7) 21(5.08,-10.16) 22(2.54,-10.16) 23(5.08,-7.62) 24(2.54,-7.62) 25(5.08,-5.08) 26(2.54,-5.08) 27(5.08,-2.54) 28(2.54,-2.54) 29(5.08,0) 29(5.08,0) 30(2.54,2.54) 31(2.54,0) 32(0,2.54)